# Altium PCB DL4-1BA.PcbDoc (part 2 of 5) (continued)
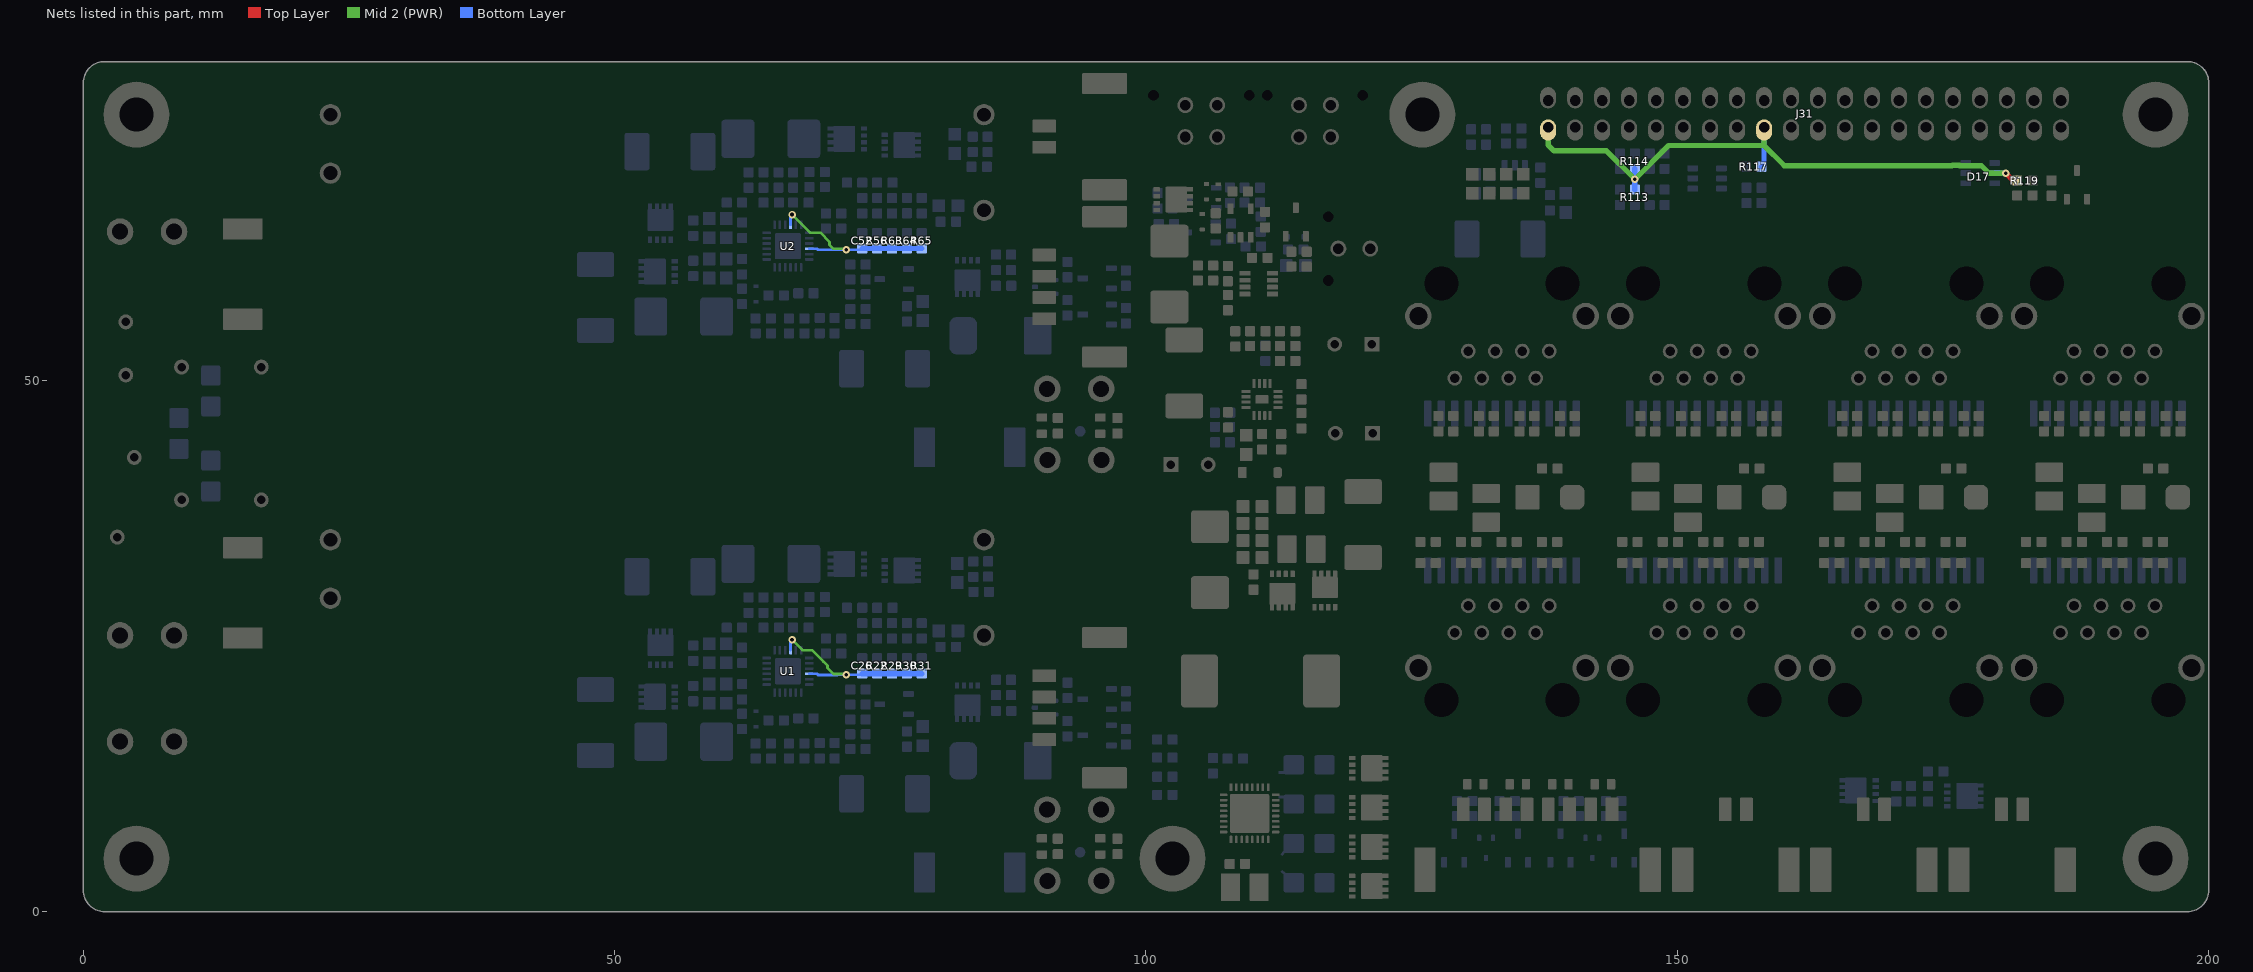
[diagram p4: the nets of this part, all layers, seen from the top]
## Part data (continued)
F1 F2: "Fuse 250VAC 6.3A UMT250", Absolute Value=6.3, Manufacturer=Schurter, Manufacturer Part Number 1=3403.0174.24, Package=UMT250, Supplier Part Number 1=486-3484-1-ND, HelpURL=https://www.schurter.com/en/datasheet/typ_UMT_250.pdf, Manufacturer 1=Schurter, Part Number=6.3A/UMT250/FUSE, Supplier 1=Digi-Key
F3 F4: "Fuse 250VAC 3.15A UMT250", Absolute Value=3.15, Manufacturer=Schurter, Manufacturer Part Number 1=3403.0171.24, Package=UMT250, Supplier Part Number 1=486-3482-1-ND, HelpURL=https://www.schurter.com/en/datasheet/typ_UMT_250.pdf, Manufacturer 1=Schurter, Part Number=3.15A/UMT250/FUSE, Supplier 1=Digi-Key
J1 J2 J4 J5 J38 J39 J40: library part Tab_025_THT, "CONN QC TAB 0.250 SOLDER", Manufacturer=GENERIC, Manufacturer 1="TE Connectivity AMP Connectors", Manufacturer 3="TE Connectivity", Manufacturer Part Number 1=1217861-1, Supplier Part Number 1=A100452CT-ND, HelpURL=https://www.te.com/usa-en/product-1217861-1.datasheet.pdf, Manufacturer Part Number 3=1217861-1, Part Number=Tab_025_THT, Supplier 1=Digi-Key, Supplier 3=LCSC, Supplier Part Number 3=C428480
J3 J6: library part DuraClick_1x4_VERT_SMD, "DuraClik Wire-to-Board Header, Single Row, Vertical, 4 Circuits, Tin (Sn) Over Nickel, Natural", Manufacturer=Molex, Supplier Part Number 1=WM10864CT-ND, HelpURL=https://www.molex.com/en-us/products/part-detail/5600200420, Manufacturer 1=Molex, Manufacturer Part Number 1=5600200420, Part Number=DuraClick_1x4_VERT_SMD, Supplier 1=Digi-Key
J7 J8 J9 J10 J13 J14 J15 J16 J19 J20 J21 J22 J25 J26 J27 J28 J42 J43 J44 J45 J46: library part Solder_Jumper_2pin_0.2mm_small, "Solder jumper with two pins with a spacing of 0.2mm", Manufacturer=NONE, Part Number=Solder_Jumper_2pin_0.2mm_small
J11 J12 J17 J18 J23 J24 J29 J30: library part ETH_THT_Vert_Schielded, "CONN MOD JACK 8P8C VERT SHIELDED", Manufacturer=GENERIC, Manufacturer 1=Würth, Manufacturer 3=HCTL, Manufacturer Part Number 3=HC-RJ45-5224-1-4, Package Type="HALO/PBL HFJ11-1G41E-L12RL", Supplier Part Number 1=732-615008160421-ND, HelpURL=https://www.we-online.com/components/products/datasheet/615008160421.pdf, Manufacturer Part Number 1=615008160421, Part Number=ETH_THT_Vert_Schielded, Previous Identity="RJ45 Buchse, Gigabit Ethernet", Supplier 1=Digi-Key, Supplier 3=LCSC, Supplier Part Number 3=C3010560
J31: library part Header_2x20_Tray, "Header 100 mil", Manufacturer=GENERIC, Manufacturer 1="On Shore Technology Inc.", Manufacturer Part Number 1=302-S401, Supplier Part Number 1=ED10529-ND, HelpURL=https://mm.digikey.com/Volume0/opasdata/d220001/medias/docus/6025/302-S.pdf, Part Number=Header_2x20_Tray, Supplier 1=Digi-Key
J32 J34 J35 J41: library part DuraClick_1x2_VERT_SMD, "DuraClik Wire-to-Board Header, Single Row, Vertical, 2 Circuits, Tin (Sn) Over Nickel, Natural", Manufacturer=Molex, Supplier Part Number 1=WM10862CT-ND, HelpURL=https://www.molex.com/en-us/products/part-detail/5600200220, Manufacturer 1=Molex, Manufacturer Part Number 1=5600200220, Part Number=DuraClick_1x2_VERT_SMD, Supplier 1=Digi-Key
J33 J37: library part Microfit_3.0_2x2_VERT_THT, "Micro-Fit 3.0 Vertical Header, 3.00mm Pitch, Dual Row, 4 Circuits, with PCB Polarizing Peg, Tin, Glow-Wire Capable, Black", Manufacturer 1=Molex, Supplier Part Number 1=WM1790-ND, HelpURL=https://tools.molex.com/pdm_docs/sd/430450412_sd.pdf, Manufacturer Part Number 1=430450412, Part Number=Microfit_3.0_2x2_VERT_THT, Supplier 1=Digi-Key
J36: library part Microfit_3.0_1x2_VERT_THT, "Micro-Fit 3.0 Vertical Header, 3.00mm Pitch, Dual Row, 2 Circuits, with PCB Polarizing Peg, Tin, Glow-Wire Capable, Black", Manufacturer 1=Molex, Supplier Part Number 1=WM1789-ND, HelpURL=https://tools.molex.com/pdm_docs/ps/PS-43045.pdf, Manufacturer Part Number 1=430450212, Part Number=Microfit_3.0_1x2_VERT_THT, Supplier 1=Digi-Key
J47 J48 J50 J51: Manufacturer=NONE, Part Number=NETTIE_025x050
J49: library part DuraClick_1x8_VERT_SMD, "DuraClik Wire-to-Board Header, Single Row, Vertical, 8 Circuits, Tin (Sn) Over Nickel, Natural", Manufacturer=Molex, Supplier Part Number 1=WM10868CT-ND, HelpURL=https://www.molex.com/en-us/products/part-detail/5600200820, Manufacturer 1=Molex, Manufacturer Part Number 1=5600200820, Part Number=DuraClick_1x8_VERT_SMD, Supplier 1=Digi-Key
L1 L3 L4 L6 L7 L9: "FIXED IND 470NH 16.5 A 5.5 MOHM SMD", Absolute Value=4.7E-7, Manufacturer=GENERIC, Manufacturer 1="Pulse Electronics", Manufacturer Part Number 1=BMRA00060630R47MA1, Package=6030, Supplier Part Number 1=553-BMRA00060630R47MA1CT-ND, HelpURL=https://productfinder.pulseelectronics.com/api/open/part-attachments/datasheet/BMRA00060630R47MA1, Part Number=470NH/6630, Supplier 1=Digi-Key
L2 L5: "FIXED IND 22UH     3 A 145 MOHM SMD", Absolute Value=2.2E-5, Manufacturer=GENERIC, Manufacturer 1="Pulse Electronics", Manufacturer Part Number 1=BMRA00060630220MA1, Package=6030, Supplier Part Number 1=553-BMRA00060630220MA1CT-ND, HelpURL=https://productfinder.pulseelectronics.com/api/open/part-attachments/datasheet/BMRA00060630220MA1, Part Number=22UH/6630, Supplier 1=Digi-Key
L8: "FIXED IND 8.2UH  11.5 A 21.5 MOHM SMD", Absolute Value=8.2E-6, Manufacturer=GENERIC, Manufacturer 1="Bourns Inc.", Manufacturer Part Number 1=SRP1245C-8R2M, Package=1245, Supplier Part Number 1=118-SRP1245C-8R2MCT-ND, HelpURL=https://www.bourns.com/docs/product-datasheets/srp1245c.pdf, Part Number=8.2UH/1245, Supplier 1=Digi-Key
L10 L11 L12 L13: "350µH LAN 1000 Base-T, Power over Ethernet (PoE) Pulswandler 1CT:1CT Oberflächenmontage", Manufacturer=Eaton, Manufacturer 3=CND-tek, Manufacturer Part Number 3=G2412S, Supplier Part Number 1=283-LAN2VSOPS24351C2CT-ND, HelpURL=https://www.eaton.com/content/dam/eaton/products/electronic-components/resources/data-sheet/eaton-lan2vsop-1000-base-t-lan-transformer-poe-data-sheet-elx1376-en.pdf, Manufacturer 1=Eaton, Manufacturer Part Number 1=LAN2VSOPS24351C2, Part Number=LAN2VSOPS24351C2, Supplier 1=Digi-Key, Supplier 3=LCSC, Supplier Part Number 3=C2912224
L14 L16: "30R@100MHz 5A 0603 Ferrite", Absolute Value=1000, Manufacturer=GENERIC, Manufacturer 1="Laird-Signal Integrity Products", Manufacturer Part Number 1=HI0603R300R-10, Package=603, Supplier Part Number 1=240-HI0603R300R-10CT-ND, HelpURL=https://www.laird.com/document/datasheet/hi0603r300r-10-datasheet, Part Number=30R/0603/FERRITE, Supplier 1=Digi-Key
L15: "CMC 1mH 2A THT Schurter DFKH-14-0003", Manufacturer=SCHURTER, Manufacturer 1="SCHURTER Inc.", Manufacturer Part Number 1=DFKH-14-0003, Package=15X10.5mm, Supplier Part Number 1=486-3121-ND, HelpURL=https://www.schurter.com/en/datasheet/typ_DFKH.pdf, Part Number=1MH/THT/CMC, Supplier 1=Digi-Key
L17: "FIXED IND 10UH 4A 68 MOHM SMD", Absolute Value=1E-5, Manufacturer=GENERIC, Manufacturer 1="Pulse Electronics", Manufacturer 3="Chilisin Elec", Manufacturer Part Number 1=BMRB00060630100MA1, Package=6030, Supplier Part Number 1=553-BMRB00060630100MA1CT-ND, HelpURL=https://productfinder.pulseelectronics.com/api/open/part-attachments/datasheet/BMRB00060630100MA1, Manufacturer Part Number 3=BMRB00060630100MA1, Part Number=10UH/6630, Supplier 1=Digi-Key, Supplier 3=LCSC, Supplier Part Number 3=C5201679
MP1 MP2 MP3 MP4 MP5 MP6: "Solder Nut M3x0.5, 2mm", JLC Type=Extended, Manufacturer=GENERIC, Manufacturer 2=PEM, Manufacturer 3=Sinhoo, Manufacturer Part Number 2=SMTSO-M3-2ET, Manufacturer Part Number 3=SMTSO3020MTJ, Part Number="PEM M3, 2mm", Supplier 2=Mouser, Supplier 3=LCSC, Supplier Part Number 2=153-SMTSO-M3-2ET, Supplier Part Number 3=C2915633
Q1 Q2 Q3 Q9 Q10 Q11 Q22: "40V 35A P-Channel MOSFET", Manufacturer="Micro Commercial Co", Manufacturer Part Number 1=353-MCG35P04-TPCT-ND, Package=8-PowerVDFN, HelpURL=https://www.mccsemi.com/pdf/Products/MCG35P04(DFN3333).pdf, Manufacturer 1="Micro Commercial Co", Part Number=MCG35P04-TP, Supplier 1=Digi-Key, Supplier Part Number 1=353-MCG35P04-TPCT-ND
Q4 Q7 Q12 Q15 Q17 Q18 Q20 Q21 Q25 Q26 Q27 Q28: "N-Kanal 100 V 35 A (Tc) 52W (Tc) Oberflächenmontage 8-PPAK (3,1x3,05)", Manufacturer="Good-Ark Semiconductor", Package=8-PowerVDFN, Supplier Part Number 1=4786-GSFN1036CT-ND, HelpURL=https://goodarksemi.com/docs/datasheets/mosfets/GSFN1036.pdf, Manufacturer 1="Good-Ark Semiconductor", Manufacturer Part Number 1=GSFN1036, Part Number=GSFN1036, Supplier 1=Digi-Key
Q5 Q6 Q13 Q14: "50V P-Channel MOSFET", JLC Type=Extended, Manufacturer=GENERIC, Manufacturer 1="Good-Ark Semiconductor", Manufacturer 3="Jiangsu Changjing Electronics Technology Co., Ltd.", Package=SOT23, Supplier Part Number 1=4786-BSS84CT-ND, HelpURL=https://goodarksemi.com/docs/datasheets/mosfets/BSS84.pdf, Manufacturer Part Number 1=BSS84, Manufacturer Part Number 3=BSS84, Part Number=BSS84, Supplier 1=Digi-Key, Supplier 3=LCSC, Supplier Part Number 3=C114481
Q8 Q16 Q19 Q23 Q24 Q29 Q30 Q31 Q32 Q803: "60V 115mA 1.2Ω@10V,500mA 200mW 2.1V@250uA N Channel SOT-23 MOSFETs", JLC Type=Extended, Manufacturer=GENERIC, Manufacturer 1="Nexperia USA Inc.", Manufacturer 3=JSMSEMI, Manufacturer Part Number 1=2N7002NXAKR, Package=SOT23, Supplier Part Number 1=1727-8643-1-ND, HelpURL=https://assets.nexperia.com/documents/data-sheet/2N7002NXAK.pdf, Manufacturer Part Number 3=JSMSEMI, Part Number=2N7002, Supplier 1=Digi-Key, Supplier 3=LCSC, Supplier Part Number 3=C916396
R1 R11 R35 R45 R131: "RES SM 2512 0R025", Absolute Value=0.025, Manufacturer=GENERIC, Manufacturer 1=Ohmite, Manufacturer Part Number 1=MCS3264R025FER, Package=2512, Supplier Part Number 1=MCS3264R025FERCT-ND, HelpURL=https://www.ohmite.com/assets/docs/res_mcs.pdf?r=false, Part Number=0R025/2512, Supplier 1=Digi-Key
R2 R3 R13 R14 R18 R20 R36 R37 R47 R48 R52 R54 R72 R77 R133 R134 R156 R157 R158 R159 R166: "RES SM 0603 0R", Absolute Value=0, JLC Type=Basic, Manufacturer=GENERIC, Manufacturer 1=YAGEO, Manufacturer 3="UNI-ROYAL(Uniroyal Elec)", Manufacturer Part Number 1=RC0603FR-070RL, Manufacturer Part Number 2=RC0603FR-130RL, Manufacturer Part Number 3=0603WAF0000T5E, Package=0603, Supplier Part Number 1=311-0.0HRCT-ND, Eurocircuits GPN=GPR06030R, HelpURL=https://www.yageo.com/upload/media/product/app/datasheet/rchip/pyu-rc_group_51_rohs_l.pdf, Manufacturer 2=YAGEO, Part Number=0R/0603, Supplier 1=Digi-Key, Supplier 2=Digi-Key, Supplier 3=LCSC, Supplier Part Number 2=13-RC0603FR-130RLCT-ND, Supplier Part Number 3=C21189
R4 R5 R9 R10 R38 R39 R43 R44 R132 R135 R136 R137 R139 R140 R143 R144 R145 R816: "RES SM 0603 100K", Absolute Value=100000, JLC Type=Basic, Manufacturer=GENERIC, Manufacturer 1=YAGEO, Manufacturer 3="UNI-ROYAL(Uniroyal Elec)", Manufacturer Part Number 1=RC0603FR-13100KL, Manufacturer Part Number 2=RC0603FR-10100KL, Manufacturer Part Number 3=0603WAF1003T5E, Package=0603, Supplier Part Number 1=13-RC0603FR-13100KLCT-ND, Eurocircuits GPN=GPR0603100K, HelpURL=https://www.yageo.com/upload/media/product/productsearch/datasheet/rchip/PYu-RC_Group_51_RoHS_L_12.pdf, Manufacturer 2=YAGEO, Part Number=100K/0603, Supplier 1=Digi-Key, Supplier 2=Digi-Key, Supplier 3=LCSC, Supplier Part Number 2=13-RC0603FR-10100KLCT-ND, Supplier Part Number 3=C25803
R6 R7 R40 R41 R147: "RES SM 0603 1K", Absolute Value=1000, JLC Type=Basic, Manufacturer=GENERIC, Manufacturer 1=YAGEO, Manufacturer 3="UNI-ROYAL(Uniroyal Elec)", Manufacturer Part Number 1=RC0603FR-131KL, Manufacturer Part Number 2=RC0603FR-101KL, Manufacturer Part Number 3=0603WAF1001T5E, Package=0603, Supplier Part Number 1=13-RC0603FR-131KLCT-ND, Eurocircuits GPN=GPR06031K, HelpURL=https://www.yageo.com/upload/media/product/app/datasheet/rchip/pyu-rc_group_51_rohs_l.pdf, Manufacturer 2=YAGEO, Part Number=1K/0603, Supplier 1=Digi-Key, Supplier 2=Digi-Key, Supplier 3=LCSC, Supplier Part Number 2=13-RC0603FR-101KLCT-ND, Supplier Part Number 3=C21190
R8 R12 R42 R46 R70 R71: "RES SM 0603 10R", Absolute Value=10, Manufacturer=GENERIC, Manufacturer 1=YAGEO, Manufacturer Part Number 1=RC0603FR-1310RL, Manufacturer Part Number 2=RC0603FR-1010RL, Package=0603, Supplier Part Number 1=13-RC0603FR-1310RLCT-ND, Eurocircuits GPN=GPR060310R, HelpURL=https://www.yageo.com/upload/media/product/app/datasheet/rchip/pyu-rc_group_51_rohs_l.pdf, Manufacturer 2=YAGEO, Part Number=10R/0603, Supplier 1=Digi-Key, Supplier 2=Digi-Key, Supplier Part Number 2=13-RC0603FR-1010RLCT-ND
R15 R49: "RES SM 0603 51K", Absolute Value=51000, JLC Type=Basic, Manufacturer=GENERIC, Manufacturer 1=YAGEO, Manufacturer Part Number 1=RC0603FR-1351KL, Manufacturer Part Number 2=RC0603FR-1051KL, Package=0603, Supplier Part Number 1=13-RC0603FR-1351KLCT-ND, Eurocircuits GPN=GPR060351K, HelpURL=https://www.yageo.com/upload/media/product/app/datasheet/rchip/pyu-rc_group_51_rohs_l.pdf, Manufacturer 2=YAGEO, Part Number=51K/0603, Supplier 1=Digi-Key, Supplier 2=Digi-Key, Supplier 3=LCSC, Supplier Part Number 2=13-RC0603FR-1051KLCT-ND, Supplier Part Number 3=C2933234
R16 R50: "RES SM 0603 680K", Absolute Value=680000, Manufacturer=GENERIC, Manufacturer 1=YAGEO, Manufacturer Part Number 1=RC0603FR-13680KL, Manufacturer Part Number 2=RC0603FR-07680KL, Package=0603, Supplier Part Number 1=13-RC0603FR-13680KLCT-ND, Eurocircuits GPN=GPR0603680K, HelpURL=https://www.yageo.com/upload/media/product/app/datasheet/rchip/pyu-rc_group_51_rohs_l.pdf, Manufacturer 2=YAGEO, Part Number=680K/0603, Supplier 1=Digi-Key, Supplier 2=Digi-Key, Supplier Part Number 2=311-680KHRCT-ND
R17 R19 R33 R51 R53 R67 R113 R114 R160 R161 R162 R163: "RES SM 0603 2K2", Absolute Value=2200, Manufacturer=GENERIC, Manufacturer 1=YAGEO, Manufacturer Part Number 1=RC0603FR-132K2L, Manufacturer Part Number 2=RC0603FR-102K2L, Manufacturer Part Number 3=RC0603JR-072K2L, Package=0603, Supplier Part Number 1=13-RC0603FR-132K2LCT-ND, Eurocircuits GPN=GPR06032K2, HelpURL=https://www.yageo.com/upload/media/product/app/datasheet/rchip/pyu-rc_group_51_rohs_l.pdf, Manufacturer 2=YAGEO, Manufacturer 3=YAGEO, Part Number=2K2/0603, Supplier 1=Digi-Key, Supplier 2=Digi-Key, Supplier 3=LCSC, Supplier Part Number 2=13-RC0603FR-102K2LCT-ND, Supplier Part Number 3=C113303
R21 R26 R55 R60: "RES NTC SM 0603 100k 4700K", Absolute Value=100000, Manufacturer=GENERIC, Manufacturer 1="Panasonic Electronic Components", Manufacturer Part Number 1=ERT-J1VV104F, Package=0603, Supplier Part Number 1=P124047CT-ND, HelpURL=https://industrial.panasonic.com/cdbs/www-data/pdf/AUA0000/AUA0000C8.pdf, Part Number=100K/0603/NTC/4700K, Supplier 1=Digi-Key
R22 R56: "RES SM 0603 47K", Absolute Value=47000, JLC Type=Basic, Manufacturer=GENERIC, Manufacturer 1=YAGEO, Manufacturer 3="UNI-ROYAL(Uniroyal Elec)", Manufacturer Part Number 1=RC0603FR-1347KL, Manufacturer Part Number 2=RC0603FR-1047KL, Manufacturer Part Number 3=0603WAF4702T5E, Package=0603, Supplier Part Number 1=13-RC0603FR-1347KLCT-ND, Eurocircuits GPN=GPR060347K, HelpURL=https://www.yageo.com/upload/media/product/app/datasheet/rchip/pyu-rc_group_51_rohs_l.pdf, Manufacturer 2=YAGEO, Part Number=47K/0603, Supplier 1=Digi-Key, Supplier 2=Digi-Key, Supplier 3=LCSC, Supplier Part Number 2=13-RC0603FR-1047KLCT-ND, Supplier Part Number 3=C25819
R23 R57: "RES SM 0603 110K", Absolute Value=110000, Manufacturer=GENERIC, Manufacturer 1=YAGEO, Manufacturer Part Number 1=RC0603FR-13110KL, Manufacturer Part Number 2=RC0603FR-07110KL, Package=0603, Supplier Part Number 1=13-RC0603FR-13110KLCT-ND, Eurocircuits GPN=GPR0603110K, HelpURL=https://www.yageo.com/upload/media/product/productsearch/datasheet/rchip/PYu-RC_Group_51_RoHS_L_12.pdf, Manufacturer 2=YAGEO, Part Number=110K/0603, Supplier 1=Digi-Key, Supplier 2=Digi-Key, Supplier Part Number 2=311-110KHRCT-ND
R24 R58: "RES SM 0603 20K", Absolute Value=20000, Manufacturer=GENERIC, Manufacturer 1=YAGEO, Manufacturer Part Number 1=RC0603FR-1320KL, Manufacturer Part Number 2=RC0603FR-1020KL, Package=0603, Supplier Part Number 1=13-RC0603FR-1320KLCT-ND, Eurocircuits GPN=GPR060320K, HelpURL=https://www.yageo.com/upload/media/product/app/datasheet/rchip/pyu-rc_group_51_rohs_l.pdf, Manufacturer 2=YAGEO, Part Number=20K/0603, Supplier 1=Digi-Key, Supplier 2=Digi-Key, Supplier Part Number 2=13-RC0603FR-1020KLCT-ND
R25 R59: "RES SM 0603 3M3", Absolute Value=3300000, Manufacturer=GENERIC, Manufacturer 1=YAGEO, Manufacturer Part Number 1=RC0603FR-073M3L, Package=0603, Supplier Part Number 1=13-RC0603FR-073M3LCT-ND, Eurocircuits GPN=GPR06033M3, HelpURL=https://www.yageo.com/upload/media/product/app/datasheet/rchip/pyu-rc_group_51_rohs_l.pdf, Part Number=3M3/0603, Supplier 1=Digi-Key
R27 R28 R61 R62: "RES SM 0603 150K", Absolute Value=150000, JLC Type=Basic, Manufacturer=GENERIC, Manufacturer 1=YAGEO, Manufacturer 3="UNI-ROYAL(Uniroyal Elec)", Manufacturer Part Number 1=RC0603FR-13150KL, Manufacturer Part Number 2=RC0603FR-10150KL, Manufacturer Part Number 3=0603WAF1503T5E, Package=0603, Supplier Part Number 1=13-RC0603FR-13150KLCT-ND, Eurocircuits GPN=GPR0603150K, HelpURL=https://www.yageo.com/upload/media/product/app/datasheet/rchip/pyu-rc_group_51_rohs_l.pdf, Manufacturer 2=YAGEO, Part Number=150K/0603, Supplier 1=Digi-Key, Supplier 2=Digi-Key, Supplier 3=LCSC, Supplier Part Number 2=13-RC0603FR-10150KLCT-ND, Supplier Part Number 3=C22807
R29 R63 R79: "RES SM 0603 75K", Absolute Value=75000, JLC Type=Basic, Manufacturer=GENERIC, Manufacturer 1=YAGEO, Manufacturer Part Number 1=RC0603FR-1375KL, Manufacturer Part Number 2=RC0603FR-1075KL, Manufacturer Part Number 3=RC0603FR-0775KL, Package=0603, Supplier Part Number 1=13-RC0603FR-1375KLCT-ND, Eurocircuits GPN=GPR060375K, HelpURL=https://www.yageo.com/upload/media/product/app/datasheet/rchip/pyu-rc_group_51_rohs_l.pdf, Manufacturer 2=YAGEO, Manufacturer 3=YAGEO, Part Number=75K/0603, Supplier 1=Digi-Key, Supplier 2=Digi-Key, Supplier 3=LCSC, Supplier Part Number 2=13-RC0603FR-1075KLCT-ND, Supplier Part Number 3=C114636
R30 R64: "RES SM 0603 16K", Absolute Value=16000, Manufacturer=GENERIC, Manufacturer 1=YAGEO, Manufacturer Part Number 1=RC0603FR-1316KL, Manufacturer Part Number 2=RC0603FR-1016KL, Package=0603, Supplier Part Number 1=13-RC0603FR-1316KLCT-ND, Eurocircuits GPN=GPR060316K, HelpURL=https://www.yageo.com/upload/media/product/productsearch/datasheet/rchip/PYu-RC_Group_51_RoHS_L_12.pdf, Manufacturer 2=YAGEO, Part Number=16K/0603, Supplier 1=Digi-Key, Supplier 2=Digi-Key, Supplier Part Number 2=13-RC0603FR-1016KLCT-ND
R31 R65: "RES SM 0603 62K", Absolute Value=62000, Manufacturer=GENERIC, Manufacturer 1=YAGEO, Manufacturer Part Number 1=RC0603FR-1362KL, Manufacturer Part Number 2=RC0603FR-1062KL, Package=0603, Supplier Part Number 1=13-RC0603FR-1362KLCT-ND, Eurocircuits GPN=GPR060362K, HelpURL=https://www.yageo.com/upload/media/product/productsearch/datasheet/rchip/PYu-RC_Group_51_RoHS_L_12.pdf, Manufacturer 2=YAGEO, Part Number=62K/0603, Supplier 1=Digi-Key, Supplier 2=Digi-Key, Supplier Part Number 2=13-RC0603FR-1062KLCT-ND
R32 R66: "RES SM 0603 24K", Absolute Value=24000, Manufacturer=GENERIC, Manufacturer 1=YAGEO, Manufacturer Part Number 1=RC0603FR-1324KL, Manufacturer Part Number 2=RC0603FR-1024KL, Package=0603, Supplier Part Number 1=13-RC0603FR-1324KLCT-ND, Eurocircuits GPN=GPR060324K, HelpURL=https://www.yageo.com/upload/media/product/app/datasheet/rchip/pyu-rc_group_51_rohs_l.pdf, Manufacturer 2=YAGEO, Part Number=24K/0603, Supplier 1=Digi-Key, Supplier 2=Digi-Key, Supplier Part Number 2=13-RC0603FR-1024KLCT-ND
R34 R68: "RES SM 0603 27K", Absolute Value=27000, Manufacturer=GENERIC, Manufacturer 1=YAGEO, Manufacturer Part Number 1=RC0603FR-1327KL, Manufacturer Part Number 2=RC0603FR-1027KL, Manufacturer Part Number 3=RC0603FR-0727KL, Package=0603, Supplier Part Number 1=13-RC0603FR-1327KLCT-ND, Eurocircuits GPN=GPR060327K, HelpURL=https://www.yageo.com/upload/media/product/app/datasheet/rchip/pyu-rc_group_51_rohs_l.pdf, Manufacturer 2=YAGEO, Manufacturer 3=YAGEO, Part Number=27K/0603, Supplier 1=Digi-Key, Supplier 2=Digi-Key, Supplier 3=LCSC, Supplier Part Number 2=13-RC0603FR-1027KLCT-ND, Supplier Part Number 3=C114614
R69: "RES SM 2512 0R005", Absolute Value=0.005, Manufacturer=GENERIC, Manufacturer 1=Ohmite, Manufacturer Part Number 1=MCS3264R005FER, Package=2512, Supplier Part Number 1=MCS3264R005FERCT-ND, HelpURL=https://www.ohmite.com/assets/docs/res_mcs.pdf?r=false, Part Number=0R005/2512, Supplier 1=Digi-Key
R73: "RES SM 0603 220K", Absolute Value=220000, JLC Type=Basic, Manufacturer=GENERIC, Manufacturer 1=YAGEO, Manufacturer 3="UNI-ROYAL(Uniroyal Elec)", Manufacturer Part Number 1=RC0603FR-13220KL, Manufacturer Part Number 2=RC0603FR-10220KL, Manufacturer Part Number 3=0603WAF2203T5E, Package=0603, Supplier Part Number 1=13-RC0603FR-13220KLCT-ND, Eurocircuits GPN=GPR0603220K, HelpURL=https://www.yageo.com/upload/media/product/productsearch/datasheet/rchip/PYu-RC_Group_51_RoHS_L_12.pdf, Manufacturer 2=YAGEO, Part Number=220K/0603, Supplier 1=Digi-Key, Supplier 2=Digi-Key, Supplier 3=LCSC, Supplier Part Number 2=13-RC0603FR-10220KLCT-ND, Supplier Part Number 3=C22961
R74: "RES SM 0603 2R2", Absolute Value=2.2, Manufacturer=GENERIC, Manufacturer 1=YAGEO, Manufacturer Part Number 1=RC0603FR-132R2L, Manufacturer Part Number 2=RC0603FR-072R2L, Package=0603, Supplier Part Number 1=13-RC0603FR-132R2LCT-ND, Eurocircuits GPN=GPR06032R2, HelpURL=https://www.yageo.com/upload/media/product/productsearch/datasheet/rchip/PYu-RC_Group_51_RoHS_L_12.pdf, Manufacturer 2=YAGEO, Part Number=2R2/0603, Supplier 1=Digi-Key, Supplier 2=Digi-Key, Supplier Part Number 2=311-2.2HRCT-ND
R75 R80: "RES SM 0603 12K", Absolute Value=12000, Manufacturer=GENERIC, Manufacturer 1=YAGEO, Manufacturer Part Number 1=RC0603FR-1312KL, Manufacturer Part Number 2=RC0603FR-1012KL, Package=0603, Supplier Part Number 1=13-RC0603FR-1312KLCT-ND, Eurocircuits GPN=GPR060312K, HelpURL=https://www.yageo.com/upload/media/product/app/datasheet/rchip/pyu-rc_group_51_rohs_l.pdf, Manufacturer 2=YAGEO, Part Number=12K/0603, Supplier 1=Digi-Key, Supplier 2=Digi-Key, Supplier Part Number 2=13-RC0603FR-1012KLCT-ND
R76: "RES SM 0603 18K", Absolute Value=18000, Manufacturer=GENERIC, Manufacturer 1=YAGEO, Manufacturer Part Number 1=RC0603FR-1318KL, Manufacturer Part Number 2=RC0603FR-1018KL, Package=0603, Supplier Part Number 1=13-RC0603FR-1318KLCT-ND, Eurocircuits GPN=GPR060318K, HelpURL=https://www.yageo.com/upload/media/product/productsearch/datasheet/rchip/PYu-RC_Group_51_RoHS_L_12.pdf, Manufacturer 2=YAGEO, Part Number=18K/0603, Supplier 1=Digi-Key, Supplier 2=Digi-Key, Supplier Part Number 2=13-RC0603FR-1018KLCT-ND
R78 R815: "RES SM 0603 470K", Absolute Value=470000, Manufacturer=GENERIC, Manufacturer 1=YAGEO, Manufacturer Part Number 1=RC0603FR-13470KL, Manufacturer Part Number 2=RC0603FR-10470KL, Package=0603, Supplier Part Number 1=13-RC0603FR-13470KLCT-ND, Eurocircuits GPN=GPR0603470K, HelpURL=https://www.yageo.com/upload/media/product/app/datasheet/rchip/pyu-rc_group_51_rohs_l.pdf, Manufacturer 2=YAGEO, Part Number=470K/0603, Supplier 1=Digi-Key, Supplier 2=Digi-Key, Supplier Part Number 2=13-RC0603FR-10470KLCT-ND
R81 R82 R83 R84 R85 R86 R87 R88 R89 R90 R91 R92 R93 R94 R95 R96 R97 R98 R99 R100 R101 R102 R103 R104 R105 R106 R107 R108 R109 R110 R111 R112: "RES SM 0603 75R", Absolute Value=75, Manufacturer=GENERIC, Manufacturer 1=YAGEO, Manufacturer Part Number 1=RC0603FR-1375RL, Manufacturer Part Number 2=RC0603FR-1075RL, Package=0603, Supplier Part Number 1=13-RC0603FR-1375RLCT-ND, Eurocircuits GPN=GPR060375R, HelpURL=https://www.yageo.com/upload/media/product/productsearch/datasheet/rchip/PYu-RC_Group_51_RoHS_L_12.pdf, Manufacturer 2=YAGEO, Part Number=75R/0603, Supplier 1=Digi-Key, Supplier 2=Digi-Key, Supplier 3=LCSC, Supplier Part Number 2=13-RC0603FR-1075RLCT-ND, Supplier Part Number 3=C112309
R115 R116 R118 R122 R123: "RES SM 0603 33R", Absolute Value=33, Manufacturer=GENERIC, Manufacturer 1=YAGEO, Manufacturer Part Number 1=RC0603FR-1333RL, Manufacturer Part Number 2=RC0603FR-1033RL, Package=0603, Supplier Part Number 1=13-RC0603FR-1333RLCT-ND, Eurocircuits GPN=GPR060333R, HelpURL=https://www.yageo.com/upload/media/product/app/datasheet/rchip/pyu-rc_group_51_rohs_l.pdf, Manufacturer 2=YAGEO, Part Number=33R/0603, Supplier 1=Digi-Key, Supplier 2=Digi-Key, Supplier Part Number 2=13-RC0603FR-1033RLCT-ND
R117 R119 R121 R141 R150 R151 R152 R153: "RES SM 0603 10K", Absolute Value=10000, JLC Type=Basic, Manufacturer=GENERIC, Manufacturer 1=YAGEO, Manufacturer 3="UNI-ROYAL(Uniroyal Elec)", Manufacturer Part Number 1=RC0603FR-1310KL, Manufacturer Part Number 2=RC0603FR-1010KL, Manufacturer Part Number 3=0603WAF1002T5E, Package=0603, Supplier Part Number 1=13-RC0603FR-1310KLCT-ND, Eurocircuits GPN=GPR060310K, HelpURL=https://www.yageo.com/upload/media/product/productsearch/datasheet/rchip/PYu-RC_Group_51_RoHS_L_12.pdf, Manufacturer 2=YAGEO, Part Number=10K/0603, Supplier 1=Digi-Key, Supplier 2=Digi-Key, Supplier 3=LCSC, Supplier Part Number 2=13-RC0603FR-1010KLCT-ND, Supplier Part Number 3=C25804
R120 R165: "RES SM 0603 22K", Absolute Value=22000, JLC Type=Basic, Manufacturer=GENERIC, Manufacturer 1=YAGEO, Manufacturer 3="UNI-ROYAL(Uniroyal Elec)", Manufacturer Part Number 1=RC0603FR-1322KL, Manufacturer Part Number 2=RC0603FR-1022KL, Manufacturer Part Number 3=0603WAF2202T5E, Package=0603, Supplier Part Number 1=13-RC0603FR-1322KLCT-ND, Eurocircuits GPN=GPR060322K, HelpURL=https://www.yageo.com/upload/media/product/app/datasheet/rchip/pyu-rc_group_51_rohs_l.pdf, Manufacturer 2=YAGEO, Part Number=22K/0603, Supplier 1=Digi-Key, Supplier 2=Digi-Key, Supplier 3=LCSC, Supplier Part Number 2=13-RC0603FR-1022KLCT-ND, Supplier Part Number 3=C31850
R124: "VARISTOR 391V 6kA", Absolute Value=391, Manufacturer=GENERIC, Manufacturer 1="Panasonic Electronic Components", Package=7.5mm, Supplier Part Number 1=P7266-ND, HelpURL=https://industrial.panasonic.com/cdbs/www-data/pdf/AWA0000/AWA0000C1.pdf, Manufacturer Part Number 1=ERZ-V14D391, Part Number=ERZ-V14D391, Supplier 1=Digi-Key
R125 R126 R127: "RES SM 1206 330K", Absolute Value=330000, Manufacturer=GENERIC, Manufacturer 1=YAGEO, Manufacturer Part Number 1=RC1206FR-07330KL, Package=1206, Supplier Part Number 1=311-330KFRCT-ND, HelpURL=https://www.yageo.com/upload/media/product/products/datasheet/rchip/PYu-RC_Group_51_RoHS_L_12.pdf, Part Number=330K/1206, Supplier 1=Digi-Key
R128: "RES NTC THT 5 25R", Absolute Value=25, Manufacturer=GENERIC, Manufacturer 1="EPCOS - TDK Electronics", Manufacturer Part Number 1=B57236S0250M000, Package=5mm, Supplier Part Number 1=495-3048-ND, HelpURL=https://product.tdk.com/system/files/dam/doc/product/protection/current/ntc-limiter/data_sheet/50/db/icl_16/s236.pdf, Part Number=25R/THT/NTC, Supplier 1=Digi-Key
R129 R130 R814: "RES SM 0603 1M", Absolute Value=1000000, JLC Type=Basic, Manufacturer=GENERIC, Manufacturer 1=YAGEO, Manufacturer 3="UNI-ROYAL(Uniroyal Elec)", Manufacturer Part Number 1=RC0603FR-131ML, Manufacturer Part Number 2=RC0603FR-101ML, Manufacturer Part Number 3=0603WAF1004T5E, Package=0603, Supplier Part Number 1=13-RC0603FR-131MLCT-ND, Eurocircuits GPN=GPR06031M, HelpURL=https://www.yageo.com/upload/media/product/app/datasheet/rchip/pyu-rc_group_51_rohs_l.pdf, Manufacturer 2=YAGEO, Part Number=1M/0603, Supplier 1=Digi-Key, Supplier 2=Digi-Key, Supplier 3=C22935, Supplier Part Number 2=13-RC0603FR-101MLCT-ND, Supplier Part Number 3=LCSC
R138: "RES SM 0603 4K7", Absolute Value=4700, JLC Type=Basic, Manufacturer=GENERIC, Manufacturer 1=YAGEO, Manufacturer 3="UNI-ROYAL(Uniroyal Elec)", Manufacturer Part Number 1=RC0603FR-134K7L, Manufacturer Part Number 2=RC0603FR-104K7L, Manufacturer Part Number 3=0603WAF4701T5E, Package=0603, Supplier Part Number 1=13-RC0603FR-134K7LCT-ND, Eurocircuits GPN=GPR06034K7, HelpURL=https://www.yageo.com/upload/media/product/app/datasheet/rchip/pyu-rc_group_51_rohs_l.pdf, Manufacturer 2=YAGEO, Part Number=4K7/0603, Supplier 1=Digi-Key, Supplier 2=Digi-Key, Supplier 3=LCSC, Supplier Part Number 2=13-RC0603FR-104K7LCT-ND, Supplier Part Number 3=C23162
R142: "RES SM 0603 33K", Absolute Value=33000, Manufacturer=GENERIC, Manufacturer 1=YAGEO, Manufacturer Part Number 1=RC0603FR-1333KL, Manufacturer Part Number 2=RC0603FR-1033KL, Package=0603, Supplier Part Number 1=13-RC0603FR-1333KLCT-ND, Eurocircuits GPN=GPR060333K, HelpURL=https://www.yageo.com/upload/media/product/app/datasheet/rchip/pyu-rc_group_51_rohs_l.pdf, Manufacturer 2=YAGEO, Part Number=33K/0603, Supplier 1=Digi-Key, Supplier 2=Digi-Key, Supplier Part Number 2=13-RC0603FR-1033KLCT-ND
R146 R148 R149 R155: "RES SM 1206 0R25", Absolute Value=0.25, Manufacturer=GENERIC, Manufacturer 1=YAGEO, Manufacturer 3=RALEC, Manufacturer Part Number 1=RL1206FR-070R25L, Manufacturer Part Number 3=RLT06R25JTP, Package=1206, Supplier Part Number 1=311-.25LWCT-ND, Eurocircuits GPN=GPR12060R25, HelpURL=https://www.yageo.com/upload/media/product/app/datasheet/rchip/pyu-rl_group_521_rohs_l.pdf, Part Number=0R25/1206, Supplier 1=Digi-Key, Supplier 3=LCSC, Supplier Part Number 3=C7500327
R154: "RES SM 0603 120K", Absolute Value=120000, Manufacturer=GENERIC, Manufacturer 1=YAGEO, Manufacturer Part Number 1=RC0603FR-13120KL, Manufacturer Part Number 2=RC0603FR-10120KL, Package=0603, Supplier Part Number 1=13-RC0603FR-13120KLCT-ND, Eurocircuits GPN=GPR0603120K, HelpURL=https://www.yageo.com/upload/media/product/app/datasheet/rchip/pyu-rc_group_51_rohs_l.pdf, Manufacturer 2=YAGEO, Part Number=120K/0603, Supplier 1=Digi-Key, Supplier 2=Digi-Key, Supplier Part Number 2=13-RC0603FR-10120KLCT-ND
R164: "RES SM 0603 160K", Absolute Value=160000, Manufacturer=GENERIC, Manufacturer 1=YAGEO, Manufacturer Part Number 1=RC0603FR-13160KL, Manufacturer Part Number 2=RC0603FR-07160KL, Package=0603, Supplier Part Number 1=13-RC0603FR-13160KLCT-ND, Eurocircuits GPN=GPR0603160K, HelpURL=https://www.yageo.com/upload/media/product/productsearch/datasheet/rchip/PYu-RC_Group_51_RoHS_L_12.pdf, Manufacturer 2=YAGEO, Part Number=160K/0603, Supplier 1=Digi-Key, Supplier 2=Digi-Key, Supplier Part Number 2=311-160KHRCT-ND
TP1 TP2: "SMD Test Point 1mm", Manufacturer=NONE, Part Number=TP_SMD_1
U1 U2: "BQ2461x Stand-Alone 1- to 6-Cell Synchronous Buck Battery Charger Controller", Manufacturer="Texas Instruments", Manufacturer Part Number 1=BQ24610RGER, Package=QFN-24, Supplier Part Number 1=296-29437-1-ND, HelpURL=https://www.ti.com/lit/ds/symlink/bq24610.pdf, Manufacturer 1="Texas Instruments", Manufacturer 3="Texas Instruments", Manufacturer Part Number 3=BQ24610RGER, Part Number=BQ24610, Supplier 1=Digi-Key, Supplier 3=LCSC, Supplier Part Number 3=C19384
U3: "TPS4306x Low Quiescent Current Synchronous Boost DC-DC Controller With Wide VIN Range", Manufacturer="Texas Instruments", Manufacturer Part Number 1=TPS43060RTER, Package=PWQFN-16, Supplier Part Number 1=296-39400-1-ND, HelpURL=https://www.ti.com/lit/ds/symlink/tps43060.pdf, Manufacturer 1="Texas Instruments", Manufacturer 3="Texas Instruments", Manufacturer Part Number 3=TPS43060RTER, Part Number=TPS43060RTE, Supplier 1=Digi-Key, Supplier 3=LCSC, Supplier Part Number 3=C76516
U4 U5: "30W AC-DC PCB-Mount Green Power Module", Package=Module, HelpURL=https://www.meanwell-web.com/content/files/pdfs/productPdfs/MW/IRM-30/IRM-30-spec.pdf, Part Number=IRM30-15
U6: "36V Single Voltage Comparator", Manufacturer="Toshiba Semiconductor and Storage", Manufacturer 3=TOSHIBA, Manufacturer Part Number 3=TA75S393F,LF(T, Package=SOT23-5, Supplier Part Number 1=TA75S393FLFCT-ND, HelpURL=https://toshiba.semicon-storage.com/info/TA75S393F_datasheet_en_20220525.pdf?did=20981&prodName=TA75S393F, Manufacturer 1="Toshiba Semiconductor and Storage", Manufacturer Part Number 1=TA75S393F,LF, Part Number=TA75S393F,LF, Supplier 1=Digi-Key, Supplier 3=LCSC, Supplier Part Number 3=C840438
U7: "INA232 48-V, 16-Bit, Current, Voltage, and Power Monitor With an I2C Interface", Manufacturer="Texas Instruments", Package=SOT23-8, Supplier Part Number 1=296-INA232BIDDFRCT-ND, HelpURL=https://www.ti.com/lit/ds/symlink/ina232.pdf, Manufacturer 1="Texas Instruments", Manufacturer Part Number 1=INA232BIDDFR, Part Number=INA232BIDDFR, Supplier 1=Digi-Key
U8: "Quad-Port, IEEE 802.3af/at PSE Controller for Power over Ethernet", Manufacturer=MPS, Manufacturer 1="Monolithic Power Systems Inc.", Manufacturer Part Number 1=MP3924GU-Z, Package=QFN-32, Supplier Part Number 1=1589-MP3924GU-ZCT-ND, HelpURL=https://www.monolithicpower.com/en/documentview/productdocument/index/version/2/document_type/Datasheet/lang/en/sku/MP3924GU/document_id/9919/, Part Number=MP3924, Supplier 1=Digi-Key
U9: "SIMPLE SWITCHER® power converter 4.5-V to 36-V, 2-A, synchronous buck with 40-µA IQ", Manufacturer="Texas Instruments", Manufacturer Part Number 1=LMR51420YFDDCR, Package=SOIC-8, Supplier Part Number 1=296-LMR51420YFDDCRCT-ND, HelpURL=https://www.ti.com/lit/ds/symlink/lmr51420.pdf, Manufacturer 1="Texas Instruments", Manufacturer 3="Texas Instruments", Manufacturer Part Number 3=LMR51420YFDDCR, Part Number=LMR51420YF, Supplier 1=Digi-Key, Supplier 3=LCSC, Supplier Part Number 3=C7296200
? ? ? ?: library part 0R/0603

## Via types
v1: diameter 0.7, hole 0.35, Top Layer to Bottom Layer, tented both sides, 483 vias
v2: diameter 0.7, hole 0.35, Top Layer to Bottom Layer, 11 vias

## Nets (pads, with @x,y where several pads share a name; then routed paths per layer and width w, separated by ;. In a path a pad name is that pad's centre, name@x,y a point inside that pad or via, vN(x,y) a via of type N, cw(c..) or ccw(c..) an arc to the next point about the centre after c; other vN are vias at no path point)
+3V3: D17.5 J31.1 J31.17 R113.2 R114.2 R117.1 R119.1 | length 58.6
  Top Layer w0.5: v1(180.9,69.5) 181.6,68.8 R119.1@181.975,68.8
  Mid 2 (PWR) w0.5: J31.1@137.84,73.9 137.84,72.16 138.4,71.6 143.325,71.6 v1(146,68.925) 149.175,72.1 158.16,72.1 ; J31.17@158.16,73.9 158.16,72.1 ; v1(180.9,69.5) 179.3,69.5 178.6,70.2 176.561,70.2 176.511,70.25 175.889,70.25 175.839,70.2 160.06,70.2 158.16,72.1
  Bottom Layer w0.5: R113.2@146,67.95 v1(146,68.925) R114.2@146,69.9 ; R117.1@157.925,70.1 158.16,70.335 J31.17@158.16,73.9 ; D17.5@179.85,69.49 180.89,69.49 v1(180.9,69.5)
"+3V3_CHG_VREF_Charger Lower": C26.1 R22.1 R29.1 R30.1 R31.1 U1.4 U1.10 | length 18.3
  Mid 2 (PWR) w0.25: v1(66.699,25.6) 67.681,24.619 68.564,24.619 69.658,23.525 70.024,23.159 70.024,22.941 70.224,22.741 70.59,22.375 70.874,22.375 71.724,22.375 v1(71.799,22.3)
  Bottom Layer w0.25: U1.4@66.55,24.627 66.55,25.451 v1(66.699,25.6) ; U1.10@68.3,22.377 69.038,22.377 69.14,22.275 69.658,22.275 69.66,22.277 70.949,22.277 70.972,22.3 73.198,22.3 C26.1@73.3,22.402
  Bottom Layer w0.5: C26.1@73.3,22.402 R22.1@74.7,22.402 R29.1@76.099,22.402 R30.1@77.499,22.402 R31.1@78.899,22.402
"+3V3_CHG_VREF_Charger Upper": C52.1 R56.1 R63.1 R64.1 R65.1 U2.4 U2.10 | length 18.4
  Mid 2 (PWR) w0.25: v1(66.699,65.6) 68.399,63.9 69.349,63.9 70.224,63.025 70.224,62.741 70.59,62.375 70.874,62.375 71.724,62.375 v1(71.799,62.3)
  Bottom Layer w0.25: U2.4@66.55,64.627 66.55,65.451 v1(66.699,65.6) ; U2.10@68.3,62.377 69.038,62.377 69.14,62.275 69.658,62.275 69.66,62.277 70.949,62.277 70.972,62.3 73.198,62.3 C52.1@73.3,62.402
  Bottom Layer w0.5: C52.1@73.3,62.402 R56.1@74.7,62.402 R63.1@76.099,62.402 R64.1@77.499,62.402 R65.1@78.899,62.402